# KiCad board stain.kicad_pcb (continued)
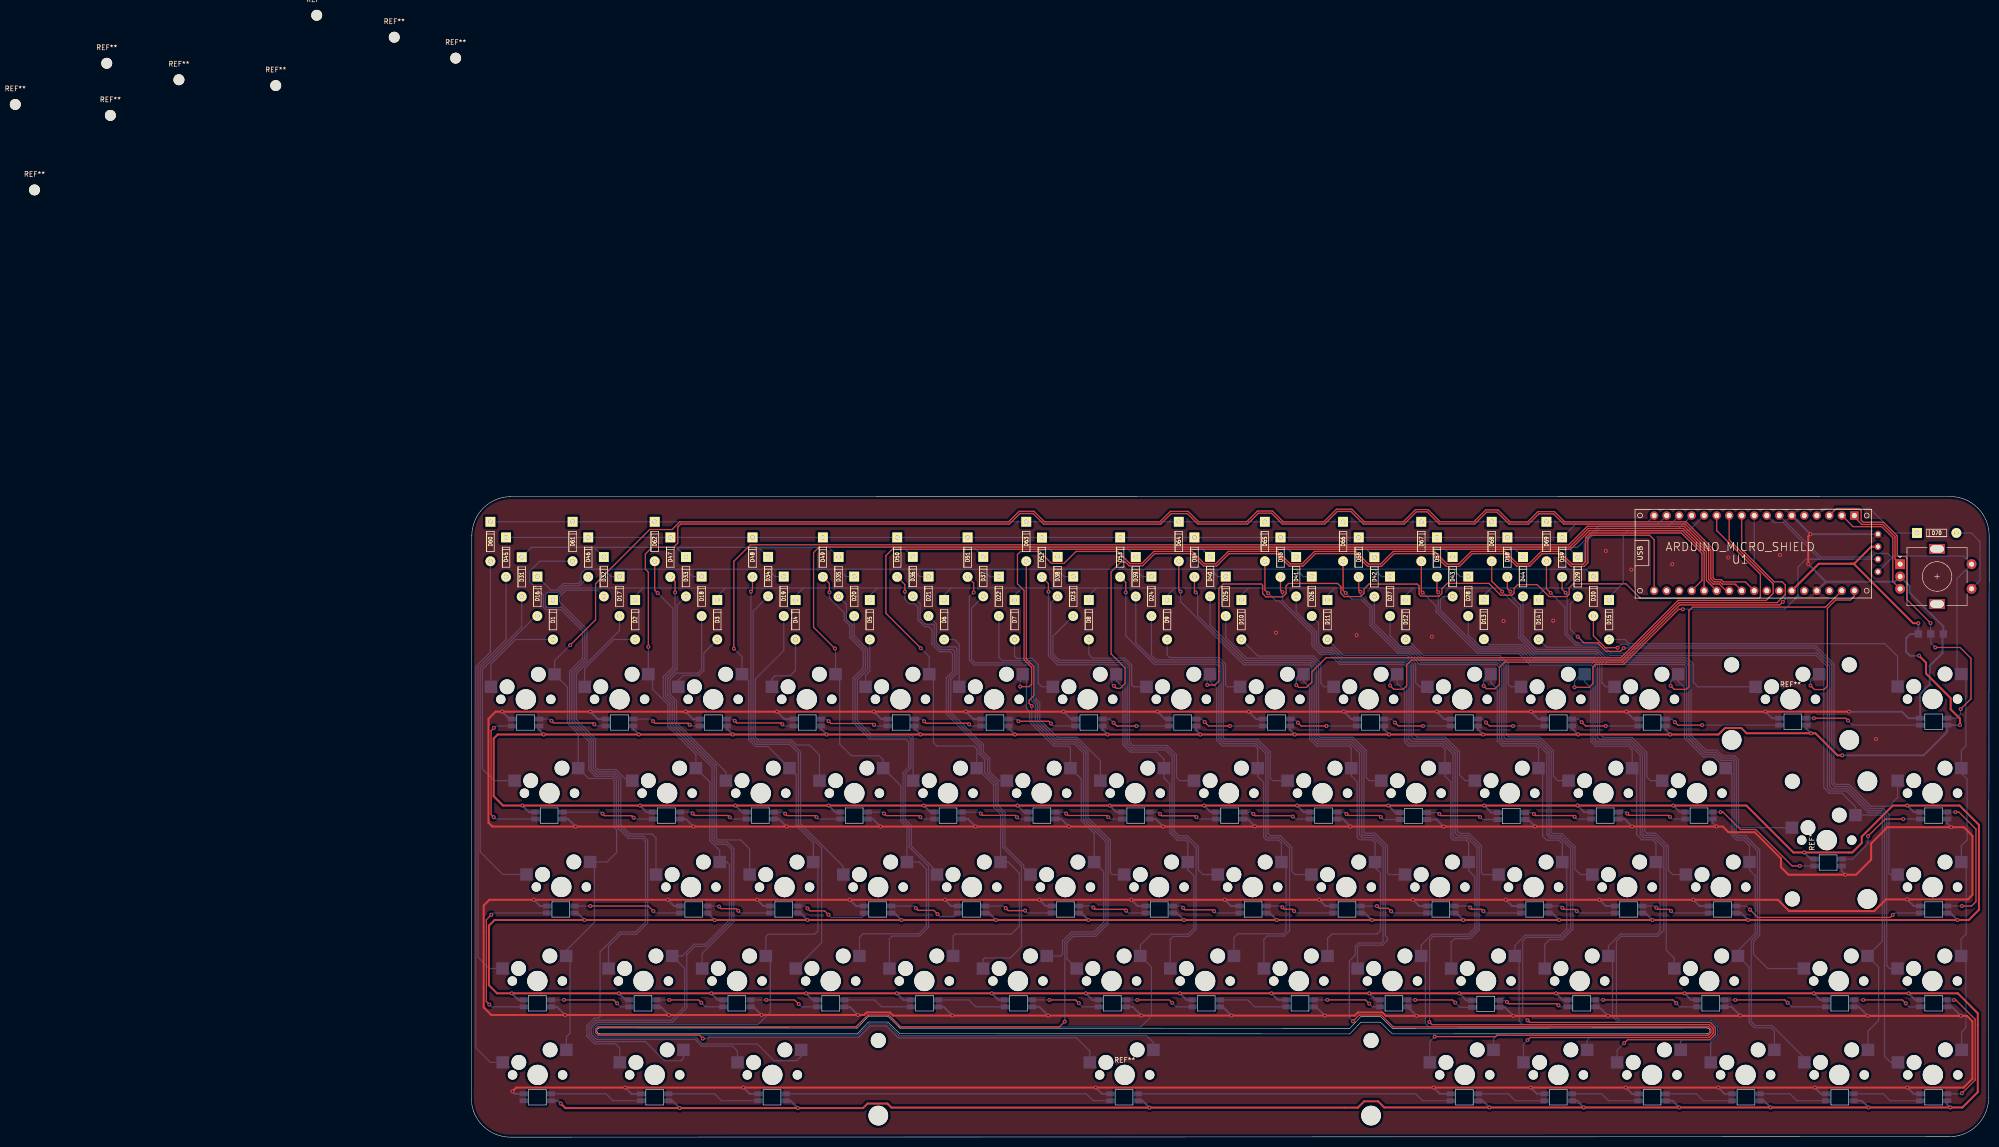
[diagram p0: board, top side]
## Nets (continued)
Net-(LED21-Pad4): LED21.4 LED22.2
Net-(LED22-Pad4): LED22.4 LED23.2
Net-(LED23-Pad4): LED23.4 LED24.2
Net-(LED24-Pad4): LED24.4 LED25.2
Net-(LED25-Pad4): LED25.4 LED26.2
Net-(LED26-Pad4): LED26.4 LED27.2
Net-(LED27-Pad4): LED27.4 LED28.2
Net-(LED28-Pad4): LED28.4 LED29.2
Net-(LED29-Pad4): LED29.4 LED30.2
Net-(LED31-Pad4): LED31.4 LED32.2
Net-(LED32-Pad4): LED32.4 LED33.2
Net-(LED33-Pad4): LED33.4 LED34.2
Net-(LED34-Pad4): LED34.4 LED35.2
Net-(LED35-Pad4): LED35.4 LED36.2
Net-(LED36-Pad4): LED36.4 LED37.2
Net-(LED37-Pad4): LED37.4 LED38.2
Net-(LED38-Pad4): LED38.4 LED39.2
Net-(LED39-Pad4): LED39.4 LED40.2
Net-(LED40-Pad4): LED40.4 LED41.2
Net-(LED41-Pad4): LED41.4 LED42.2
Net-(LED42-Pad4): LED42.4 LED43.2
Net-(LED43-Pad4): LED43.4 LED44.2
Net-(LED45-Pad2): LED44.4 LED45.2
Net-(LED45-Pad4): LED45.4 LED46.2
Net-(LED47-Pad2): LED46.4 LED47.2
Net-(LED48-Pad2): LED47.4 LED48.2
Net-(LED49-Pad2): LED48.4 LED49.2
Net-(LED49-Pad4): LED49.4 LED50.2
Net-(LED51-Pad2): LED50.4 LED51.2
Net-(LED51-Pad4): LED51.4 LED52.2
Net-(LED52-Pad4): LED52.4 LED53.2
Net-(LED54-Pad2): LED53.4 LED54.2
Net-(LED55-Pad2): LED54.4 LED55.2
Net-(LED55-Pad4): LED55.4 LED56.2
Net-(LED57-Pad2): LED56.4 LED57.2
Net-(LED58-Pad2): LED57.4 LED58.2
Net-(LED58-Pad4): LED58.4 LED59.2
Net-(LED59-Pad4): LED59.4 LED69.2
Net-(LED60-Pad2): LED60.2 LED61.4
Net-(LED61-Pad2): LED61.2 LED62.4
Net-(LED62-Pad2): LED62.2 LED63.4
Net-(LED63-Pad2): LED63.2 LED64.4
Net-(LED65-Pad2): LED65.2 LED66.4
Net-(LED65-Pad4): LED64.2 LED65.4
Net-(LED66-Pad2): LED66.2 LED67.4
Net-(LED68-Pad2): LED68.2 LED69.4
Net-(LED68-Pad4): LED67.2 LED68.4
Net-(SW70-PadS1): D70.2 SW70.S1

Pads without a net: LED60 4; U1 3.3V AREF NC RST VI

## Via types
v1: diameter 0.8, hole 0.4, Top to Bottom, 317 vias

## Routing (per net, layer and track width the routed paths; a pad name or vN(x,y) marks a point on that pad's centre or on a via; arc(x,y) is an arc through that point)
GND: length 1884.7
  Top w0.4: v1(271.76,122.32) 271.31,121.87 v1(271.31,116.24) ; v1(8.36,9.29) 9.12,10.05 v1(31.22,10.05) v1(55.22,10.05) v1(126.72,10.05) v1(195.3,10.05) v1(214.99,10.05) v1(234.29,10.05) v1(253.09,10.05) v1(272.64,10.05) v1(291.44,10.05) 302.87,10.05 304.65,11.83 304.65,23.51 303.56,24.6 v1(302.29,24.6) v1(283.38,24.6) 257.59,24.6 v1(257.53,24.66) 257.47,24.6 v1(230.68,24.6) v1(211.49,24.6) v1(191.81,24.6) 185.59,24.6 184.9,25.3 179.94,25.3 179.3,24.66 v1(173.2,24.66) v1(154.28,24.66) v1(135.99,24.66) v1(117.07,24.66) v1(97.64,24.66) 85.58,24.66 84.94,25.3 80.25,25.3 79.73,24.78 v1(78.46,24.78) v1(58.9,24.78) v1(40.11,24.78) v1(19.02,24.78) 4.04,24.78 2.51,26.31 2.51,47.01 3.66,48.15 v1(12.67,48.15) v1(39.85,48.15) v1(58.01,48.15) v1(76.81,48.15) v1(96.11,48.15) v1(115.29,48.15) v1(133.96,48.15) v1(152.88,48.15) v1(172.06,48.15) v1(191.11,48.15) v1(209.91,48.15) v1(228.96,48.15) v1(248.01,48.15) 265.15,48.15 267.43,45.87 284.71,45.87 287.07,48.23 v1(291.39,48.23) 303.71,48.23 304.65,49.17 304.65,61.11 302.87,62.88 v1(300.33,62.88) 287.38,62.88 284.07,59.58 284.07,56.28 281.03,53.23 v1(278.87,53.23) 267.31,53.23 265.79,54.76 265.79,56.53 260.45,61.87 255.12,61.87 253.97,63.01 v1(252.7,63.01) v1(235.56,63.01) 215.92,63.01 v1(215.91,63.02) 215.89,63.01 v1(197.33,63.01) v1(178.41,63.01) 159.08,63.01 v1(159.02,63.06) 158.97,63.01 v1(140.44,63.01) v1(121.26,63.01) v1(102.34,63.01) v1(83.03,63.01) v1(63.98,63.01) v1(45.06,63.01) v1(21.18,63.01) 4.29,63.01 3.49,63.81 3.49,84.87 4.93,86.32 v1(6.26,86.32) v1(24.17,86.32) v1(43.47,86.32) v1(62.01,86.32) v1(81.7,86.32) v1(100.37,86.32) v1(120.18,86.32) v1(139.23,86.32) v1(157.77,86.32) v1(177.08,86.32) v1(195.9,86.32) v1(215.04,86.32) v1(234.39,86.32) v1(262.63,86.32) 279.56,86.32 v1(279.57,86.3)
  Bottom w0.4: v1(62.01,86.32) 63.52,84.81 LED12.3 ; LED56.3 228.85,26.43 v1(230.68,24.6) ; LED50.3 115.29,26.43 v1(117.07,24.66) ; v1(173.2,24.66) 171.43,26.43 LED53.3 ; LED65.3 216.25,8.78 v1(214.99,10.05) ; LED16.3 299.52,63.69 v1(300.33,62.88) ; LED49.3 95.86,26.43 v1(97.64,24.66) ; LED19.3 62.46,64.53 v1(63.98,63.01) ; LED67.3 254.35,8.78 v1(253.09,10.05) ; LED63.3 127.99,8.78 v1(126.72,10.05) ; v1(102.34,63.01) 100.81,64.53 LED21.3 ; LED60.3 9.12,8.78 9.12,8.78 8.86,8.78 v1(8.36,9.29) ; v1(209.91,48.15) 211.17,46.88 LED34.3 ; v1(135.99,24.66) 134.21,26.43 LED51.3 ; LED66.3 235.56,8.78 v1(234.29,10.05) ; LED32.3 249.27,46.88 v1(248.01,48.15) ; LED30.3 278.09,54.01 v1(278.87,53.23) ; v1(302.29,24.6) 300.46,26.43 LED59.3 ; LED23.3 138.91,64.53 v1(140.44,63.01) ; v1(120.18,86.32) 121.68,84.81 LED15.3 ; v1(262.63,86.32) 263.96,84.98 LED7.3 ; v1(291.39,48.23) 292.73,46.88 LED31.3 ; LED57.3 255.75,26.43 v1(257.53,24.66) ; v1(197.33,63.01) 195.9,64.44 LED26.3 ; v1(58.9,24.78) 57.25,26.43 LED47.3 ; v1(78.46,24.78) 76.81,26.43 LED48.3 ; LED62.3 56.49,8.78 v1(55.22,10.05) ; v1(215.91,63.02) 214.49,64.44 LED27.3 ; LED1.3 140.73,84.81 v1(139.23,86.32) ; LED37.3 154.15,46.88 v1(152.88,48.15) ; v1(76.81,48.15) 78.08,46.88 LED41.3 ; LED25.3 176.89,64.53 v1(178.41,63.01) ; v1(235.56,63.01) 234.04,64.53 LED28.3 ; v1(19.02,24.78) 17.37,26.43 LED45.3 ; 274.88,112.67 271.31,116.24 v1(271.31,116.24) ; 274.88,112.67 288.89,112.67 SW70.C 291.87,111.82 291.87,110.45 298.73,103.59 J1.3 298.57,101.91 298.57,98.23 295.97,95.63 295.97,91.84 294.02,89.89 LED8.3 291.65,84.98 290.34,86.29 279.58,86.29 v1(279.57,86.3) ; 274.88,112.67 U1.GND ; LED38.3 135.23,46.88 v1(133.96,48.15) ; v1(83.03,63.01) 81.51,64.53 LED20.3 ; LED14.3 101.87,84.81 v1(100.37,86.32) ; v1(12.67,48.15) 13.94,46.88 LED44.3 ; LED5.3 216.54,84.81 v1(215.04,86.32) ; v1(228.96,48.15) 230.22,46.88 LED33.3 ; v1(121.26,63.01) 119.74,64.53 LED22.3 ; v1(252.7,63.01) 251.9,63.82 LED29.3 ; v1(291.44,10.05) 292.71,8.78 LED69.3 ; v1(58.01,48.15) 59.28,46.88 LED42.3 ; v1(154.28,24.66) 152.5,26.43 LED52.3 ; LED39.3 116.56,46.88 v1(115.29,48.15) ; LED9.3 7.76,84.81 v1(6.26,86.32) ; v1(234.39,86.32) 235.89,84.81 LED6.3 ; LED40.3 97.38,46.88 v1(96.11,48.15) ; v1(31.22,10.05) 32.48,8.78 LED61.3 ; LED36.3 173.33,46.88 v1(172.06,48.15) ; LED68.3 273.91,8.78 v1(272.64,10.05) ; v1(283.38,24.6) 281.55,26.43 LED58.3 ; v1(39.85,48.15) 41.12,46.88 LED43.3 ; LED4.3 197.4,84.81 v1(195.9,86.32) ; v1(21.18,63.01) 19.66,64.53 LED17.3 ; v1(211.49,24.6) 209.75,26.34 LED55.3 ; v1(195.3,10.05) 196.57,8.78 LED64.3 ; LED11.3 44.97,84.81 v1(43.47,86.32) ; v1(191.11,48.15) 192.38,46.88 LED35.3 ; LED10.3 25.67,84.81 v1(24.17,86.32) ; v1(157.77,86.32) 159.28,84.81 LED2.3 ; LED46.3 38.46,26.43 v1(40.11,24.78) ; v1(191.81,24.6) 191.81,24.61 LED54.3 ; LED18.3 43.54,64.53 v1(45.06,63.01) ; LED3.3 178.58,84.81 v1(177.08,86.32) ; v1(81.7,86.32) 83.2,84.81 LED13.3 ; U1.GND v1(271.76,122.32) OL1.1 ; LED24.3 157.55,64.53 v1(159.02,63.06)
  vias: v1(163.32,102.33) v1(179.65,101.82) v1(194.94,101.53) v1(209.49,104.7) v1(219.56,104.77) v1(230.24,118.91) v1(235.42,115.12) v1(243.72,116.22) v1(255.06,117.57) v1(265.59,118.1) v1(285.06,80.76)
VCC: length 1829.1
  Top w0.4: U1.5V 273.45,116.32 280.53,116.32 292.59,104.26 v1(293.65,104.26) ; 279.9,116.32 280.63,116.32 284.09,119.78 OL1.2 ; v1(18.19,6.8) 19.1,5.89 v1(42.28,5.89) v1(66.27,5.89) 79.5,5.89 80.42,6.81 84.45,6.81 85.27,5.99 v1(137.62,5.99) 179.92,5.99 181.2,7.27 184.02,7.27 185.27,6.02 v1(206.62,6.02) v1(225.76,6.02) v1(245.15,6.02) v1(263.67,6.02) v1(283.55,6.02) v1(300.15,6.02) 302.6,6.02 305.72,9.14 305.72,25.13 301.68,29.17 v1(291.7,29.17) v1(272.43,29.17) v1(246.22,29.17) v1(220.13,29.17) v1(200.5,29.17) v1(182.23,29.17) v1(162.37,29.17) v1(143.8,29.17) v1(124.72,29.17) v1(105.64,29.17) v1(86.37,29.17) v1(67.94,29.17) v1(48.7,29.17) v1(29.95,29.17) v1(8.22,29.17) 5.21,29.17 3.56,30.82 3.56,42.89 4.72,44.04 v1(22.96,44.04) 49.36,44.04 v1(49.38,44.03) 49.39,44.04 68.24,44.04 v1(68.24,44.04) 68.25,44.04 v1(87.29,44.04) v1(106.48,44.04) v1(125.23,44.04) v1(144.63,44.04) v1(163.47,44.04) v1(182.76,44.04) v1(201.33,44.04) v1(220.77,44.04) v1(239.71,44.04) v1(259.13,44.04) v1(301.59,44.04) 303.88,44.04 305.95,46.11 305.95,63.35 302.04,67.26 v1(291.42,67.26) 288.47,67.26 282.17,60.96 282.17,59.66 280.25,57.74 279.57,57.74 279.56,57.75 v1(270.48,57.75) 268.28,57.75 258.76,67.27 v1(243.94,67.27) v1(224.5,67.27) v1(205.56,67.27) v1(186.09,67.27) v1(167.59,67.27) v1(148.7,67.27) v1(129.55,67.27) v1(110.84,67.27) v1(91.81,67.27) v1(72.52,67.27) v1(53.6,67.27) v1(34.22,67.27) v1(10.36,67.27) 6.43,67.27 4.54,69.16 4.54,80.86 5.35,81.68 v1(14.71,81.68) v1(34.01,81.68) v1(53.06,81.68) v1(72.11,81.68) v1(91.16,81.68) v1(110.34,81.68) v1(129.13,81.68) v1(147.93,81.68) v1(167.11,81.68) v1(186.28,81.68) v1(205.33,81.68) v1(224.64,81.68) v1(243.31,81.68) 253.09,81.68 254.42,83.01 257.72,83.01 258.8,81.93 v1(271.88,81.93) 272.77,81.93 277.24,77.46 v1(278.22,77.46) ; v1(293.81,97.66) 295.22,96.25 295.22,94.05 300.22,89.06 300.22,86.79 302.11,84.89 v1(302.11,83.61)
  Bottom w0.4: LED7.1 270.95,82.87 v1(271.88,81.93) ; v1(163.47,44.04) 162.03,45.48 LED37.1 ; v1(302.11,83.61) 302.08,83.58 LED8.1 299.52,82.24 294.75,77.46 v1(278.22,77.46) ; v1(220.13,29.17) 221.47,27.83 LED56.1 ; LED68.1 282.19,7.38 v1(283.55,6.02) ; LED21.1 93.15,65.93 v1(91.81,67.27) ; v1(167.59,67.27) 168.93,65.93 LED25.1 ; v1(87.29,44.04) 85.85,45.48 LED41.1 ; v1(8.22,29.17) 9.56,27.83 LED45.1 ; LED35.1 199.89,45.48 v1(201.33,44.04) ; LED51.1 126.06,27.83 v1(124.72,29.17) ; LED28.1 225.84,65.93 v1(224.5,67.27) ; LED38.1 143.19,45.48 v1(144.63,44.04) ; LED50.1 106.98,27.83 v1(105.64,29.17) ; LED52.1 145.14,27.83 v1(143.8,29.17) ; LED61.1 40.79,7.38 v1(42.28,5.89) ; LED19.1 54.94,65.93 v1(53.6,67.27) ; v1(182.76,44.04) 181.32,45.48 LED36.1 ; v1(18.19,6.8) 17.61,7.38 LED60.1 ; LED23.1 130.89,65.93 v1(129.55,67.27) ; v1(148.7,67.27) 150.04,65.93 LED24.1 ; v1(300.15,6.02) 299.52,6.65 LED69.1 ; v1(48.7,29.17) 50.04,27.83 LED47.1 ; v1(147.93,81.68) 147.12,82.49 LED1.1 ; v1(22.96,44.04) 21.52,45.48 LED44.1 ; v1(66.27,5.89) 64.78,7.38 LED62.1 ; LED64.1 205.26,7.38 v1(206.62,6.02) ; v1(91.16,81.68) 89.97,82.87 LED13.1 ; v1(125.23,44.04) 123.79,45.48 LED39.1 ; v1(293.65,104.26) J1.1 292.06,102.08 291.18,101.19 291.18,98.44 291.96,97.66 v1(293.81,97.66) ; v1(259.13,44.04) 257.69,45.48 LED32.1 ; v1(29.95,29.17) 31.29,27.83 LED46.1 ; v1(186.09,67.27) 187.52,65.84 LED26.1 ; LED10.1 32.82,82.87 v1(34.01,81.68) ; LED43.1 47.92,45.48 v1(49.38,44.03) ; LED9.1 13.77,82.61 v1(14.71,81.68) ; v1(205.33,81.68) 204.27,82.74 LED4.1 ; v1(291.42,67.26) 292.75,65.93 LED16.1 ; LED20.1 73.86,65.93 v1(72.52,67.27) ; v1(270.48,57.75) 271.82,56.41 LED30.1 ; LED15.1 128.07,82.74 v1(129.13,81.68) ; v1(245.15,6.02) 243.79,7.38 LED66.1 ; LED18.1 35.56,65.93 v1(34.22,67.27) ; v1(72.11,81.68) 70.92,82.87 LED12.1 ; LED57.1 247.56,27.83 v1(246.22,29.17) ; v1(291.7,29.17) 293.04,27.83 LED59.1 ; v1(243.31,81.68) 242.37,82.61 LED6.1 ; v1(67.94,29.17) 69.28,27.83 LED48.1 ; v1(225.76,6.02) 224.4,7.38 LED65.1 ; LED33.1 238.27,45.48 v1(239.71,44.04) ; LED42.1 66.8,45.48 v1(68.24,44.04) ; LED11.1 51.87,82.87 v1(53.06,81.68) ; v1(167.11,81.68) 166.17,82.61 LED2.1 ; LED3.1 185.22,82.74 v1(186.28,81.68) ; LED53.1 163.71,27.83 v1(162.37,29.17) ; LED67.1 262.31,7.38 v1(263.67,6.02) ; v1(200.5,29.17) 201.93,27.74 LED55.1 ; LED31.1 300.15,45.48 v1(301.59,44.04) ; LED27.1 206.99,65.84 v1(205.56,67.27) ; LED14.1 109.02,82.99 v1(110.34,81.68) ; v1(137.62,5.99) 136.23,7.38 LED63.1 ; LED40.1 105.04,45.48 v1(106.48,44.04) ; LED22.1 112.18,65.93 v1(110.84,67.27) ; LED17.1 11.7,65.93 v1(10.36,67.27) ; LED5.1 223.32,82.99 v1(224.64,81.68) ; LED49.1 87.71,27.83 v1(86.37,29.17) ; LED34.1 219.33,45.48 v1(220.77,44.04) ; LED54.1 183.57,27.83 v1(182.23,29.17) ; LED29.1 245.28,65.93 v1(243.94,67.27) ; v1(272.43,29.17) 273.77,27.83 LED58.1
Col0: length 372.9
  Top w0.25: U1.A5 258.57,112.63 254.12,112.63 253.65,113.1 252.39,113.1 251.99,113.5 251.99,119.34 246.51,124.82 221.88,124.82 219.81,126.89 216.45,126.89 214.37,124.8 210.79,124.8 208.36,127.24 205.86,127.24 203.46,124.84 196.61,124.84 194.15,127.3 191.59,127.3 189.12,124.82 181.23,124.82 178.68,127.38 175.56,127.38 173.01,124.82 164.78,124.82 162.58,127.02 159.54,127.02 157.35,124.83 147.6,124.83 145.5,126.94 141.86,126.94 139.73,124.81 116.34,124.81 114.2,126.96 111.17,126.96 109.03,124.82 42.31,124.82 40.75,123.26 36.2,123.26 25.22,112.28 25.22,104.96 v1(20.07,99.81)
  Bottom w0.25: SW1.2 16.91,96.65 v1(20.07,99.81) ; 17.75,93.05 19.51,91.29 19.51,83.98 21.71,81.79 SW16.2 23.8,72.76 28.62,72.76 28.98,72.41 28.98,62.83 29.5,62.31 29.5,57.76 27.57,55.83 SW31.2 ; SW45.2 19.25,37.83 24.99,43.58 24.99,54.95 ; 20.04,35.96 20.04,21.1 19.29,20.35 SW67.2
Col1: length 399.6
  Top w0.25: U1.A4 256.63,112.03 256.62,112.03 256.48,112.18 253.93,112.18 253.46,112.65 252.21,112.65 251.55,113.31 251.55,119.15 246.32,124.37 221.7,124.37 219.63,126.44 216.64,126.44 214.55,124.35 210.61,124.35 208.17,126.79 206.04,126.79 203.64,124.39 196.43,124.39 193.97,126.85 191.78,126.85 189.3,124.37 181.05,124.37 178.49,126.93 175.75,126.93 173.19,124.37 164.6,124.37 162.4,126.57 159.72,126.57 157.53,124.38 147.42,124.38 145.31,126.49 142.04,126.49 139.91,124.36 116.16,124.36 114.01,126.51 111.35,126.51 109.21,124.37 42.5,124.37 41.89,123.77 41.89,120.51 41.04,119.65 36.68,119.65 35.32,118.29 35.32,115.21 35.93,114.6 v1(35.93,99.47)
  Bottom w0.25: 36.78,93.06 36.78,90.87 39.86,87.79 39.86,83.35 45.58,77.63 SW17.2 ; SW46.2 42.8,36.75 45.18,39.13 47.44,39.13 52.38,44.07 52.38,55.28 51.86,55.8 SW32.2 50.41,58.14 48.4,60.14 48.4,72.04 46.48,73.96 ; v1(35.93,99.47) 35.93,99.47 SW2.2 ; 41.63,35.9 43.28,34.25 43.28,26.43 40.57,23.72 25.2,23.72 23.9,22.42 23.9,20.67 25.2,19.37 35.34,19.37 39.21,15.5 42.56,15.5 43.06,16 SW68.2
Col2: length 404.6
  Top w0.25: v1(53.28,99.1) 53.28,116.81 56.63,120.16 222.73,120.16 226.49,123.92 246.13,123.92 251.1,118.96 251.1,113.12 252.02,112.2 253.28,112.2 254.63,110.85 U1.A3
  Bottom w0.25: SW33.2 69.41,59.72 65.92,63.21 65.92,73.52 65.46,73.98 ; v1(53.28,99.1) 54.93,97.45 SW3.2 56.29,92.54 56.29,80.64 57.69,79.24 60.2,79.24 SW18.2 ; 60.68,35.85 60.68,25.36 58.14,22.82 25.57,22.82 24.8,22.05 24.8,21.04 25.57,20.27 45.61,20.27 47,18.88 58.03,18.88 61.4,15.51 66.1,15.51 66.94,16.35 SW69.2 ; SW47.2 59.77,40.67 60.27,41.17 69.72,41.17 70.33,41.78 70.33,54.88
Col3: length 300
  Top w0.25: U1.A2 250.65,112.94 250.65,118.78 245.95,123.47 226.68,123.47 222.91,119.71 70.59,119.71 69.46,118.58 69.46,103.43 73.78,99.11 73.8,99.11 v1(73.81,99.12)
  Bottom w0.25: SW48.2 78.77,40.54 79.48,41.24 90.82,41.24 92.34,42.76 92.34,54.38 90.91,55.8 SW34.2 88.41,62.84 87.16,64.09 87.16,71.28 84.38,74.06 ; SW4.2 73.93,99 v1(73.81,99.12) ; SW19.2 83.58,76.58 82.8,77.36 77.14,77.36 74.75,79.75 74.75,93.08
Col4: length 285.3
  Top w0.25: v1(91.22,99.18) 84.14,106.26 84.14,117.96 85.44,119.26 223.1,119.26 226.86,123.03 245.76,123.03 250.2,118.59 U1.A1
  Bottom w0.25: SW5.2 92.93,97.47 v1(91.22,99.18) ; 93.78,93.06 93.78,80.05 94.49,79.34 102.01,79.34 102.58,78.77 SW20.2 ; 103.45,73.98 105.98,71.45 105.98,66.93 107.41,65.51 SW35.2 108.98,55.8 111.21,53.57 111.21,42.79 109.61,41.19 98.15,41.19 97.77,40.82 SW49.2
Col5: length 275.1
  Top w0.25: U1.A0 249.75,112.94 249.75,118.4 245.59,122.56 227.05,122.56 226.15,121.66 226.15,116.74 225.63,116.22 223.4,116.22 220.81,118.81 217.14,118.81 214.61,116.28 212.31,116.28 209.78,118.81 202.94,118.81 200.36,116.23 198.04,116.23 195.46,118.81 187.09,118.81 184.53,116.25 182.07,116.25 179.51,118.81 171.11,118.81 168.59,116.29 166.18,116.29 163.66,118.81 153.6,118.81 151.1,116.31 148.78,116.31 146.28,118.81 138.51,118.81 136.05,116.36 133.66,116.36 131.21,118.81 122.72,118.81 120.3,116.39 117.73,116.39 115.31,118.81 111.46,118.81 110.84,118.19 110.84,112.23 112.17,110.9 112.17,96.85 113.71,95.31 113.71,91.91 113.18,91.38 111.4,91.38 v1(111.39,91.39)
  Bottom w0.25: 122.35,74.09 123.8,72.64 123.8,64.22 126.41,61.62 SW36.2 128.33,53.88 128.33,43.61 126.36,41.64 121.81,41.64 119.98,39.81 119.98,37.11 119.63,36.75 SW50.2 ; v1(111.39,91.39) 111.39,93.36 ; 112.67,93.16 112.67,86.91 113.29,86.29 113.29,84.24 118.21,79.32 121.23,79.32 121.58,78.97 SW21.2
Col6: length 491.8
  Top w0.25: v1(130.43,91.54) 130.93,91.04 131.67,91.04 132.67,92.04 132.67,95.19 129.84,98.02 129.84,114.68 131.85,116.69 132.7,116.69 133.48,115.9 136.23,115.9 138.7,118.37 146.09,118.37 148.59,115.86 151.28,115.86 153.79,118.37 163.47,118.37 165.99,115.84 168.77,115.84 171.3,118.37 179.32,118.37 181.88,115.8 184.71,115.8 187.28,118.37 195.27,118.37 197.85,115.78 200.54,115.78 203.12,118.36 209.59,118.36 212.12,115.83 214.79,115.83 217.33,118.37 220.62,118.37 223.21,115.77 225.82,115.77 226.59,116.55 226.59,121.48 227.22,122.1 239.13,122.1 240.04,121.2 U1.13
  Bottom w0.25: 130.58,93.55 130.01,92.99 130.01,91.95 v1(130.43,91.54) ; SW60.2 138.44,19.18 137.02,20.59 86.84,20.59 84.43,23.01 80.75,23.01 78.46,20.72 25.76,20.72 25.25,21.23 25.25,21.86 25.76,22.37 78.08,22.37 80.49,24.78 84.68,24.78 87.1,22.37 135.86,22.37 138.02,24.53 138.02,34.5 136.63,35.9 ; SW7.2 130.93,92.57 132.21,91.28 132.21,79.61 133.73,78.1 139.14,78.1 140.58,76.66 SW22.2 140.58,72.86 141.76,71.68 141.76,61.72 143.24,60.24 144.93,60.24 145.41,59.76 SW37.2 145.41,54.26 146.64,53.03 146.64,42.39 145.41,41.17 137.98,41.17 135.77,38.96 SW51.2
Col7: length 249.4
  Top w0.25: U1.7 252.74,123.04 261.61,114.17 261.61,109.58 261.35,109.32 237.25,109.32 234.33,112.24 223.62,112.24 222.8,111.42 222.8,110.12 222.33,109.66 218.73,109.66 216.31,112.07 212.36,112.07 211.62,111.33 211.62,110.39 211.17,109.94 208.9,109.94 206.51,112.33 198.06,112.33 196.95,111.22 196.95,110.28 196.4,109.73 192.77,109.73 192.34,110.16 192.34,111.23 192.34,111.23 192.34,111.82 191.97,112.19 182.16,112.19 181.18,111.21 181.18,110.34 180.49,109.65 177.15,109.65 176.47,110.33 176.47,111.66 175.81,112.32 165.84,112.32 165.35,111.83 165.35,110.29 164.66,109.61 161.25,109.61 160.59,110.26 160.59,111.93 160.31,112.21 152.6,112.21 151.72,111.33 151.72,94.45 151.73,94.44 151.73,92.54 150.92,91.73 v1(149.34,91.73)
  Bottom w0.25: v1(149.34,91.73) 149.34,93.32 SW8.2 149.93,92.43 151.26,91.09 151.26,80.5 152.4,79.37 159.03,79.37 159.58,78.81 SW23.2 159.58,73.18 160.79,71.97 160.79,60.82 161.34,60.27 163.78,60.27 164.41,59.64 SW38.2 ; 165.33,54.89 165.33,41.8 164.77,41.24 155.52,41.24 154.77,40.49 SW52.2
Col8: length 205.7
  Top w0.25: U1.6 255.28,121.14 264.19,112.22 264.2,112.22 264.2,110.3 262.77,108.87 244.9,108.87 233.28,97.25 173.46,97.25 170.58,94.37 170.58,92.32 169.49,91.23 167.9,91.23 v1(167.43,91.7)
  Bottom w0.25: SW9.2 168.93,92.44 170.14,91.23 170.14,80.7 171.52,79.32 178.18,79.32 178.58,78.91 SW24.2 178.58,73.28 179.79,72.07 179.79,60.84 180.31,60.32 182.83,60.32 183.41,59.74 SW39.2 ; 183.41,54.68 184.51,53.59 184.51,41.9 183.82,41.22 174.65,41.22 173.77,40.34 SW53.2 ; 168.1,93.9 167.43,93.23 v1(167.43,91.7)
Col9: length 311.3
  Top w0.25: U1.5 257.82,119.23 264.38,112.67 266,112.67 266.67,112 266.67,110.1 264.99,108.42 245.09,108.42 233.46,96.8 190.84,96.8 189.84,95.8 189.84,91.59 189.1,90.85 187.21,90.85 v1(186.45,91.61)
  Bottom w0.25: SW54.2 192.77,38.96 194.98,41.17 202.36,41.17 203.64,42.44 203.64,52.82 202.41,54.05 SW40.2 202.41,59.76 201.9,60.27 199.29,60.27 198.76,60.79 198.76,72.09 197.58,73.27 SW25.2 197.58,78.69 196.93,79.34 190.22,79.34 189.39,80.17 189.39,90.61 187.93,92.07 SW10.2 186.45,92.42 v1(186.45,91.61) ; SW61.2 207.44,19.96 208.15,20.67 251,20.67 251.56,21.23 251.56,21.89 251.08,22.37 194.31,22.37 193.62,23.06 193.62,35.9
Col10: length 251.2
  Top w0.25: v1(205.44,91.55) 206.02,90.97 207.77,90.97 208.64,91.84 208.64,95.29 209.7,96.35 233.65,96.35 245.27,107.97 265.56,107.97 v1(266.16,108.57)
  Bottom w0.25: v1(266.16,108.57) 266.66,109.07 266.66,112.01 265.98,112.69 264.35,112.69 260.36,116.69 U1.4 ; 222.3,54.91 222.3,42.23 221.04,40.97 213.89,40.97 211.77,38.86 SW55.2 ; SW26.2 216.58,78.86 216.08,79.37 209.22,79.37 208.21,80.38 208.21,90.9 206.93,92.19 SW11.2 205.44,92.41 v1(205.44,91.55) ; SW62.2 226.44,19.64 227.03,20.22 251.19,20.22 252.01,21.04 252.01,22.07 251.27,22.82 213.33,22.82 212.62,23.53 212.62,35.9 ; SW41.2 221.41,59.58 220.75,60.24 218.26,60.24 217.4,61.11 217.4,74.04
Col11: length 216.2
  Top w0.25: v1(223.88,91.25) 226.86,91.25 227.63,92.02 227.63,95.36 228.17,95.9 233.84,95.9 245.02,107.08 v1(245.86,107.08)
  Bottom w0.25: 231.6,35.93 231.6,24.48 232.81,23.27 251.45,23.27 252.46,22.26 252.46,20.85 251.38,19.77 245.77,19.77 245.44,19.44 SW63.2 ; U1.3 264.31,124.69 266.21,124.69 273.67,117.24 271.76,117.24 ; OL1.3 271.76,117.24 ; 271.76,117.24 270.82,117.24 269.21,115.62 269.21,109.75 266.54,107.08 v1(245.86,107.08) ; SW56.2 230.77,38.79 233.18,41.19 240.59,41.19 241.22,41.83 241.22,54.99 ; SW42.2 240.41,59.66 239.75,60.32 237.54,60.32 236.5,61.36 236.5,73.94 ; SW12.2 225.93,92.41 227.19,91.15 227.19,80.27 228.17,79.29 234.8,79.29 235.58,78.51 SW27.2 ; v1(223.88,91.25) 223.88,92.5 224.5,93.13 224.5,93.17 225.24,93.9
Col12: length 145.5
  Top w0.25: v1(243.39,91.56) 244.12,90.83 246.59,90.83 247.1,91.34 247.1,106.78 247.84,107.53 274.81,107.53 U1.MI
  Bottom w0.25: v1(243.39,91.56) 243.39,92.36 SW13.2 244.93,92.47 246.18,91.21 246.18,80.96 249.99,77.16 252.2,77.16 254.5,74.85 ; 257.89,35.92 259.31,34.5 259.31,23.26 260.38,22.19 263.78,22.19 264.44,21.53 SW64.2 ; SW28.2 255.82,73.62 255.82,61.19 256.74,60.27 258.21,60.27 259.41,59.07 SW43.2 259.41,54.2 260.56,53.05 260.56,41.34 257.05,37.83 SW57.2
Col13: length 116.6
  Top w0.25: v1(271.78,91.61) 272.59,90.8 274.52,90.8 275.2,91.48 275.2,107.27 276.89,108.96 279.87,108.96 280.68,109.77 U1.SCK
  Bottom w0.25: SW58.2 286.34,39.75 286.34,64.93 285.95,65.33 SW44.2 280.91,67.01 278.16,69.77 275.59,69.77 274.47,70.88 274.47,92.98 ; v1(271.78,91.61) 271.78,92.8 272.88,93.9 ; 284.25,35.85 285.6,34.5 285.6,23.67 283.44,21.51 SW65.2
Col14: length 146.8
  Bottom w0.25: 288.65,117.87 302.82,117.87 SW70.S2 301.5,113.28 301.5,94.82 SW15.2 ; 288.65,117.87 OL1.4 ; 288.65,117.87 288.3,117.53 287.42,118.41 285,118.41 284.27,117.69 273.85,117.69 U1.2 ; SW59.2 302.34,40.18 303.38,41.22 303.38,54.8 ; SW66.2 302.44,21.34 303.3,22.19 303.3,35.8 ; SW30.2 302.38,78.42 303.3,79.34 303.3,93.03 ; 302.38,73.81 303.56,72.64 303.56,60.27 302.38,59.09 SW29.2
Col15: length 23
  Bottom w0.25: U1.RX 274.48,127.52 283.81,127.52 288.76,122.57 D70.1
en1: length 23.2
  Top w0.25: SW70.B 288.48,112.71 288.48,121.6 286.23,123.84 280.4,123.84 U1.SS
en2: length 15.9
  Top w0.25: 280.68,125.78 282.17,124.29 286.42,124.29 288.92,121.79 288.92,117.26 SW70.A
LED: length 67.8
  Top w0.25: v1(296.14,104.29) 291.4,109.03 291.4,117.4 291,117.8 289.66,117.8 289.37,118.08 289.37,121.97 286.6,124.74 282.46,124.74 282.06,125.15 282.06,127.07 281.6,127.53 277.02,127.53 U1.TX ; v1(302.24,86.82) 304.34,88.92 304.34,97.13 302.13,99.33 v1(297.09,99.33)
  Bottom w0.25: J1.2 296.19,100.23 v1(297.09,99.33) ; LED8.2 301.43,84.98 302.24,85.79 v1(302.24,86.82) ; v1(296.14,104.29) 296.14,102.13
Row1: length 286.6
  Bottom w0.25: 218.03,111.4 216.6,109.97 D14.1 ; 218.03,111.4 206.98,111.4 ; 218.03,111.4 232.77,111.4 ; 111.73,111.4 110.24,109.91 D7.1 ; 111.73,111.4 97.38,111.4 ; 111.73,111.4 126.85,111.4 ; 67.41,111.4 82.4,111.4 ; 67.41,111.4 51.59,111.4 ; 67.41,111.4 65.79,109.78 ; 82.4,111.4 97.38,111.4 ; 82.4,111.4 80.87,109.87 D5.1 ; U1.8 247.12,123.03 234.62,123.03 233.78,122.19 233.78,112.41 232.77,111.4 ; D6.1 95.95,109.97 97.38,111.4 ; 232.77,111.4 230.89,109.52 ; 51.59,111.4 49.92,109.73 ; 51.59,111.4 34.87,111.4 ; 126.85,111.4 142.72,111.4 ; 126.85,111.4 125.32,109.87 D8.1 ; D9.1 141.2,109.87 142.72,111.4 ; D12.1 189.62,109.91 191.11,111.4 ; D1.1 19.02,111.4 34.87,111.4 ; 142.72,111.4 157.71,111.4 ; 157.71,111.4 175.23,111.4 ; 157.71,111.4 156.28,109.97 D10.1 ; 175.23,111.4 191.11,111.4 ; 175.23,111.4 173.74,109.91 D11.1 ; 191.11,111.4 206.98,111.4 ; 206.98,111.4 205.49,109.91 D13.1 ; 34.87,111.4 33.25,109.77
Row2: length 294.4
  Bottom w0.25: 183.24,115.21 184.73,113.71 D27.1 ; 183.24,115.21 167.36,115.21 ; 183.24,115.21 199.24,115.21 ; D21.1 91,113.71 89.51,115.21 ; 118.85,115.21 120.34,113.71 D23.1 ; 118.85,115.21 103.73,115.21 ; 118.85,115.21 134.72,115.21 ; 89.51,115.21 103.73,115.21 ; 89.51,115.21 74.52,115.21 ; D19.1 61.67,113.71 60.17,115.21 ; 103.73,115.21 105.23,113.71 D22.1 ; 167.36,115.21 168.85,113.71 D26.1 ; 167.36,115.21 149.96,115.21 ; D30.1 226.22,115.21 225.15,115.21 ; 149.96,115.21 151.45,113.71 D25.1 ; 149.96,115.21 134.72,115.21 ; 74.52,115.21 76.02,113.71 D20.1 ; 74.52,115.21 60.17,115.21 ; 60.17,115.21 43.54,115.21 ; D18.1 45.03,113.71 43.54,115.21 ; D16.1 16.16,110.96 17.32,110.96 18.65,112.3 21.73,112.3 22.28,112.85 22.28,114.32 23.17,115.21 26.9,115.21 ; 199.24,115.21 200.73,113.71 D28.1 ; 199.24,115.21 225.15,115.21 ; 225.15,115.21 225.15,115.7 225.87,116.42 225.87,120.37 228.97,123.48 245.03,123.48 U1.9 ; 134.72,115.21 136.21,113.71 D24.1 ; 26.9,115.21 28.39,113.71 D17.1 ; 26.9,115.21 43.54,115.21
Row3: length 277.2
  Bottom w0.25: D40.1 147.99,119.65 ; D35.1 72.55,119.65 ; D31.1 12.23,119.65 224.51,119.65 228.79,123.93 242.94,123.93 U1.10 ; D39.1 132.88,119.65 ; D37.1 101.95,119.65 ; D41.1 165.42,119.65 ; D43.1 197.17,119.65 ; D33.1 41.6,119.65 ; D38.1 117.04,119.65 ; D29.1 222.54,119.65 ; D42.1 181.27,119.65 ; D34.1 58.3,119.65 ; D44.1 211.46,119.65 ; D32.1 24.93,119.65 ; D36.1 87.67,119.65
Row4: length 237.3
  Bottom w0.25: U1.11 240.85,124.38 224.12,124.38 221.4,121.65 ; D45.1 D59.1
Row5: length 236.7
  Bottom w0.25: D60.1 D69.1 238.76,124.83 U1.12
Net-(D1-Pad2): length 19.3
  Bottom w0.25: D1.2 8.96,100.95 3.98,95.97 SW1.1
Net-(D2-Pad2): length 16.4
  Bottom w0.25: SW2.1 23,95.06 28.9,100.95 D2.2
Net-(D3-Pad2): length 14.7
  Bottom w0.25: D3.2 49.92,100.93 47.19,98.21 47.19,94.7 46.19,93.69 43.03,93.69 42,92.67 SW3.1
Net-(D4-Pad2): length 13.4
  Bottom w0.25: D4.2 65.79,94.69 64.69,93.59 61.65,93.59 61,92.95 SW4.1
Net-(D5-Pad2): length 9.9
  Bottom w0.25: SW5.1 80,93.69 80.87,94.56 D5.2
Net-(D6-Pad2): length 12.1
  Bottom w0.25: SW6.1 99,100.02 98.08,100.95 D6.2
Net-(D7-Pad2): length 15.9
  Bottom w0.25: SW7.1 115.77,91.36 115.04,92.09 115.04,95.88 113.79,97.13 110.67,97.13 110.24,97.55 D7.2
Net-(D8-Pad2): length 19.8
  Bottom w0.25: SW8.1 134.38,91.36 134.01,91.74 134.01,95.75 132.59,97.18 126.09,97.18 125.32,97.94 D8.2
Net-(D9-Pad2): length 23.1
  Bottom w0.25: SW9.1 153.43,91.36 153.06,91.74 153.06,95.95 151.74,97.28 141.73,97.28 141.2,97.81 D9.2
Net-(D10-Pad2): length 25.1
  Bottom w0.25: SW10.1 173.12,91.36 172.39,92.09 172.39,96.16 170.95,97.6 159.63,97.6 D10.2
Net-(D11-Pad2): length 26.5
  Bottom w0.25: SW11.1 192.45,91.36 191.65,92.17 191.65,96.08 190.03,97.7 177.01,97.7 173.76,100.95 D11.2
Net-(D12-Pad2): length 29.4
  Bottom w0.25: 189.97,100.95 193.25,97.68 208.8,97.68 210.46,96.01 210.46,91.84 210.94,91.36 SW12.1
Net-(D13-Pad2): length 32.9
  Bottom w0.25: D13.2 206.58,99.92 213.31,99.92 215.65,97.58 228.02,97.58 229.43,96.17 229.43,92.15 230.22,91.36 SW13.1
Net-(D14-Pad2): length 50.1
  Bottom w0.25: D14.2 218.18,99.38 228.79,99.38 230.94,97.23 246.74,97.23 247.98,95.98 247.98,92.29 248.91,91.36 SW14.1
Net-(D15-Pad2): length 66.1
  Bottom w0.25: D15.2 234.12,100.95 234.97,100.1 286.86,100.1 289.45,97.51 SW15.1
Net-(D16-Pad2): length 43
  Bottom w0.25: 13.09,105.71 2.26,94.89 2.26,74.69 4.64,72.31 SW16.1
Net-(D17-Pad2): length 44.5
  Bottom w0.25: D17.2 30.07,102.76 21.31,94 21.31,84.73 25.21,80.82 25.21,75.05 25.7,74.56 29.37,74.56 31.61,72.31 SW17.1
Net-(D18-Pad2): length 43.3
  Bottom w0.25: SW18.1 51.66,74.1 41.66,84.1 41.66,88.53 40.31,89.89 40.31,92.84 41.61,94.14 46,94.14 46.74,94.89 D18.2
Net-(D19-Pad2): length 46.7
  Bottom w0.25: SW19.1 70.66,77.52 68.62,79.55 65.99,79.55 64.95,80.59 58.25,80.59 57.64,81.2 57.64,92.95 63.41,98.72 D19.2
Net-(D20-Pad2): length 44.7
  Bottom w0.25: D20.2 77.7,101.7 80.42,98.98 80.42,94.84 78.33,92.75 78.33,84.55 81.23,81.65 89.15,81.65 89.66,81.15 SW20.1
Net-(D21-Pad2): length 43.7
  Bottom w0.25: SW21.1 107.03,72.31 105.22,74.12 105.22,76.83 103.93,78.13 103.93,79.6 97.29,86.24 97.29,89.52 97.31,89.53 97.31,92.86 98.55,94.1 98.55,99.05 98.15,99.46 95.28,99.46 94.39,100.35 94.39,104.11 D21.2
Net-(D22-Pad2): length 47.7
  Bottom w0.25: SW22.1 127.66,76.38 122.92,81.12 118.95,81.12 115.36,84.71 115.36,88.12 114.59,88.89 114.59,95.69 113.6,96.68 107.75,96.68 107.07,97.36 D22.2
Net-(D23-Pad2): length 60.4
  Bottom w0.25: D23.2 118.02,101.58 118.02,98.03 119.32,96.73 132.4,96.73 133.56,95.56 133.56,80.17 134.29,79.45 141.22,79.45 143.11,77.56 143.11,72.96 143.76,72.31 SW23.1
Net-(D24-Pad2): length 57.9
  Bottom w0.25: D24.2 138.02,97.77 138.96,96.83 151.55,96.83 152.61,95.77 152.61,81.06 152.96,80.72 159.59,80.72 162.15,78.16 162.15,72.82 162.65,72.31 SW24.1
Net-(D25-Pad2): length 59.7
  Bottom w0.25: SW25.1 182.26,72.31 181.61,72.97 181.61,78.45 178.95,81.12 172.27,81.12 171.94,81.44 171.94,95.97 170.77,97.15 157.33,97.15 153.1,101.37 D25.2
Net-(D26-Pad2): length 60.3
  Bottom w0.25: D26.2 171.94,104.35 171.94,100.25 172.94,99.25 174.81,99.25 176.13,97.93 176.15,97.93 176.83,97.25 189.84,97.25 191.2,95.9 191.2,81.92 191.98,81.14 197.67,81.14 200.56,78.25 200.56,73.45 201.69,72.31 SW26.1
Net-(D27-Pad2): length 63.7
  Bottom w0.25: SW27.1 220.49,72.31 219.61,73.19 219.61,78.38 216.82,81.17 210.55,81.17 210.01,81.7 210.01,95.83 208.61,97.23 193.06,97.23 190.79,99.5 188.64,99.5 186.44,101.69 D27.2
Net-(D28-Pad2): length 66.6
  Bottom w0.25: SW28.1 239.34,72.31 238.56,73.09 238.56,78.07 235.54,81.09 229.7,81.09 228.98,81.8 228.98,95.98 227.83,97.13 215.47,97.13 213.12,99.47 204.78,99.47 202.32,101.94 D28.2
